# Altium PCB XXXX-YYYY-RZZ-PCB - Bkp.PcbDoc
Units mil, origin at the board's own origin, x right, y up, seen from the top; angles counter-clockwise.
Board outline 4920 x 6280 mil, 2 copper layers (Top Layer, Bottom Layer), stack 62.192 mil thick; 96 components, 77 nets, 624 pads, 123 vias.
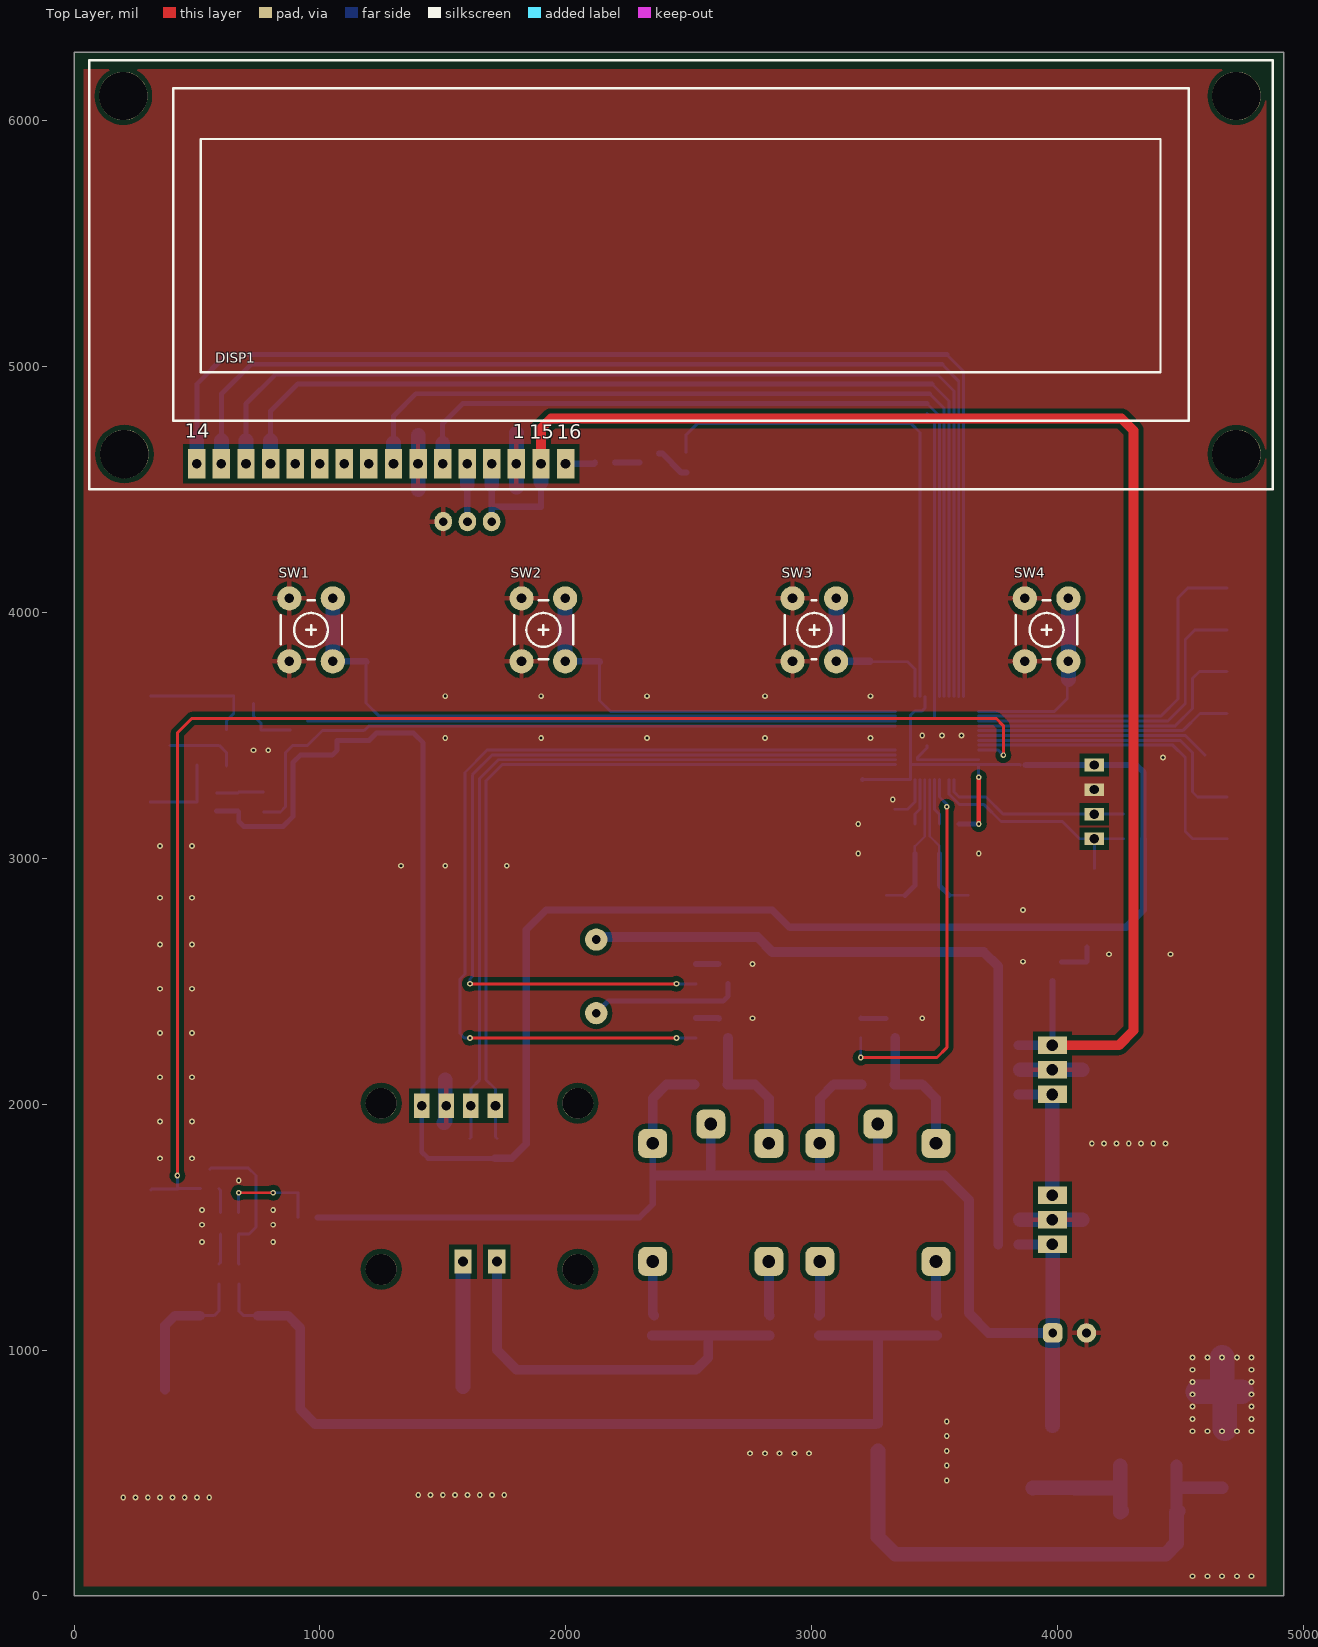
[diagram p0: Top Layer view]
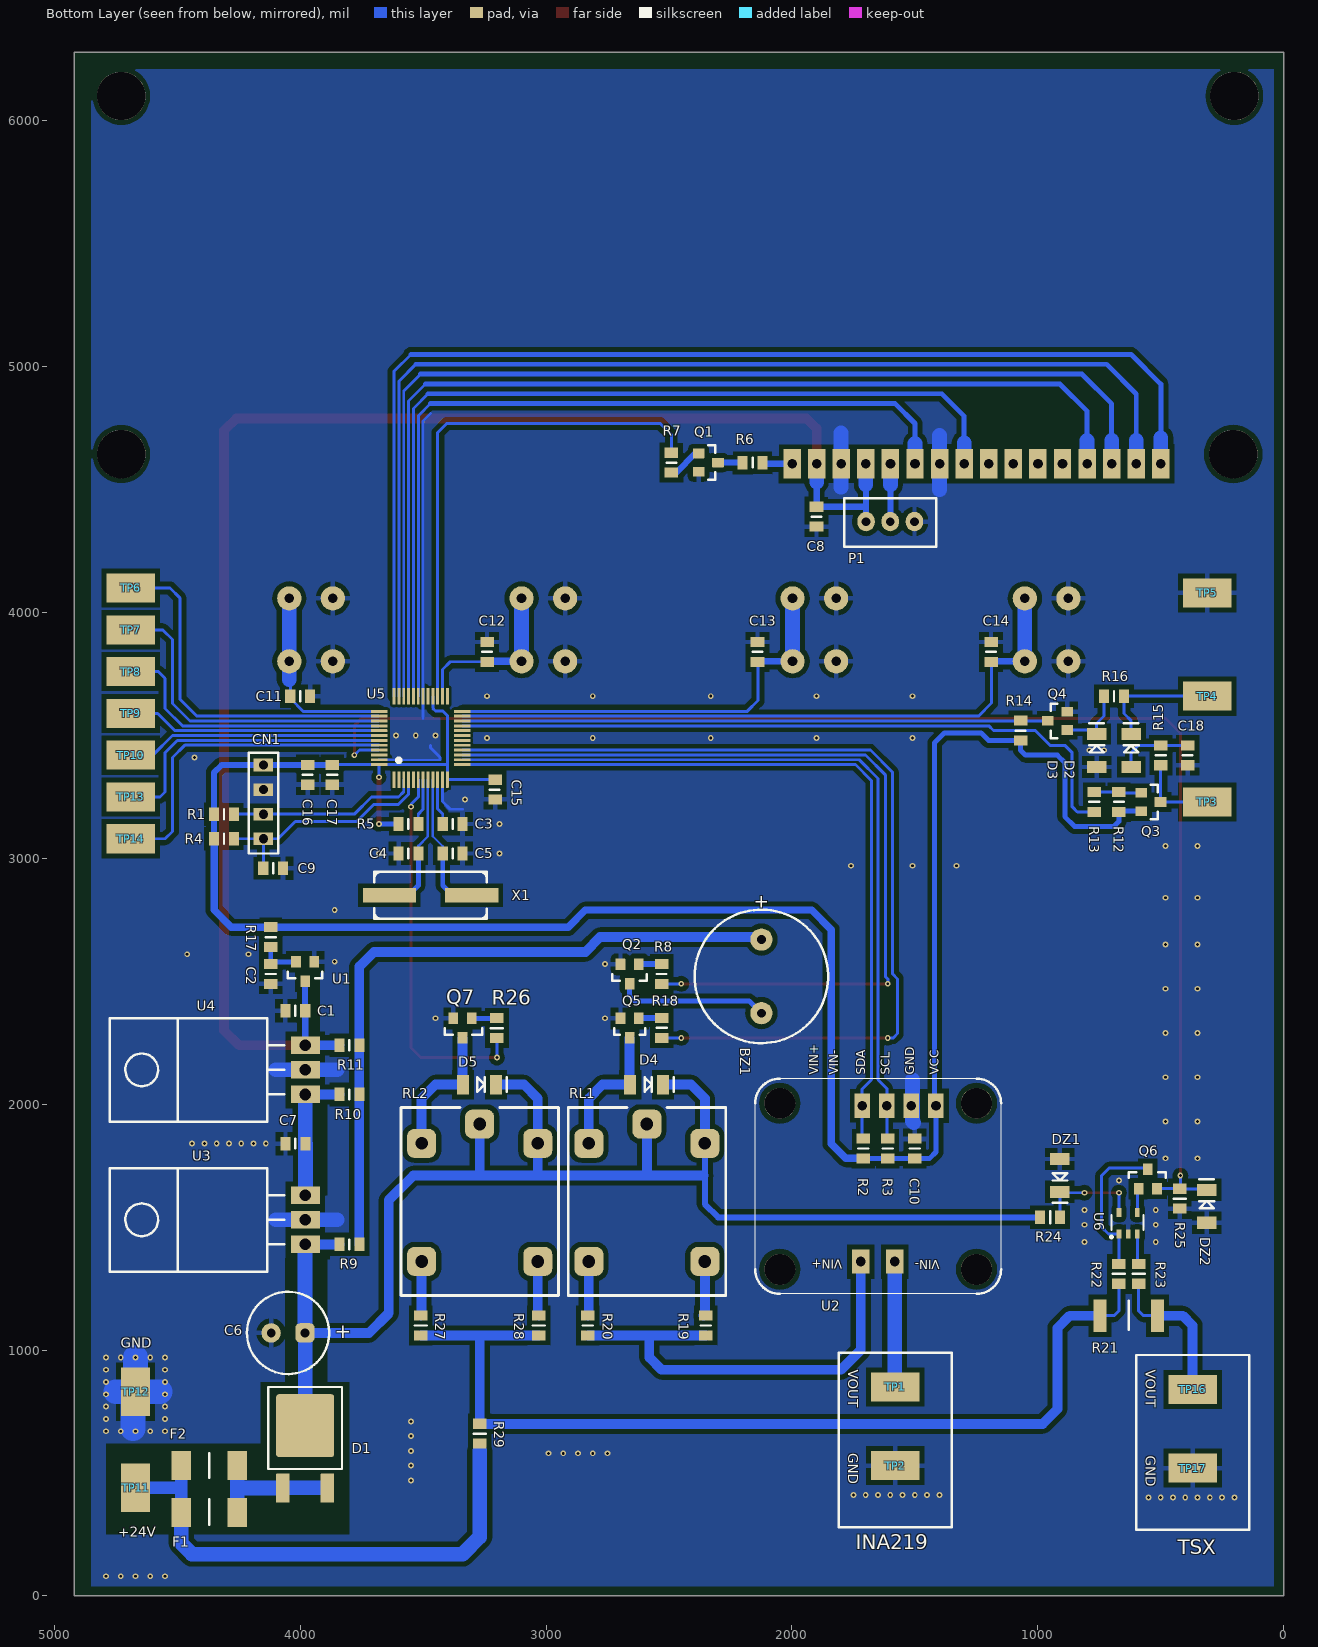
[diagram p1: Bottom Layer view, seen from below]
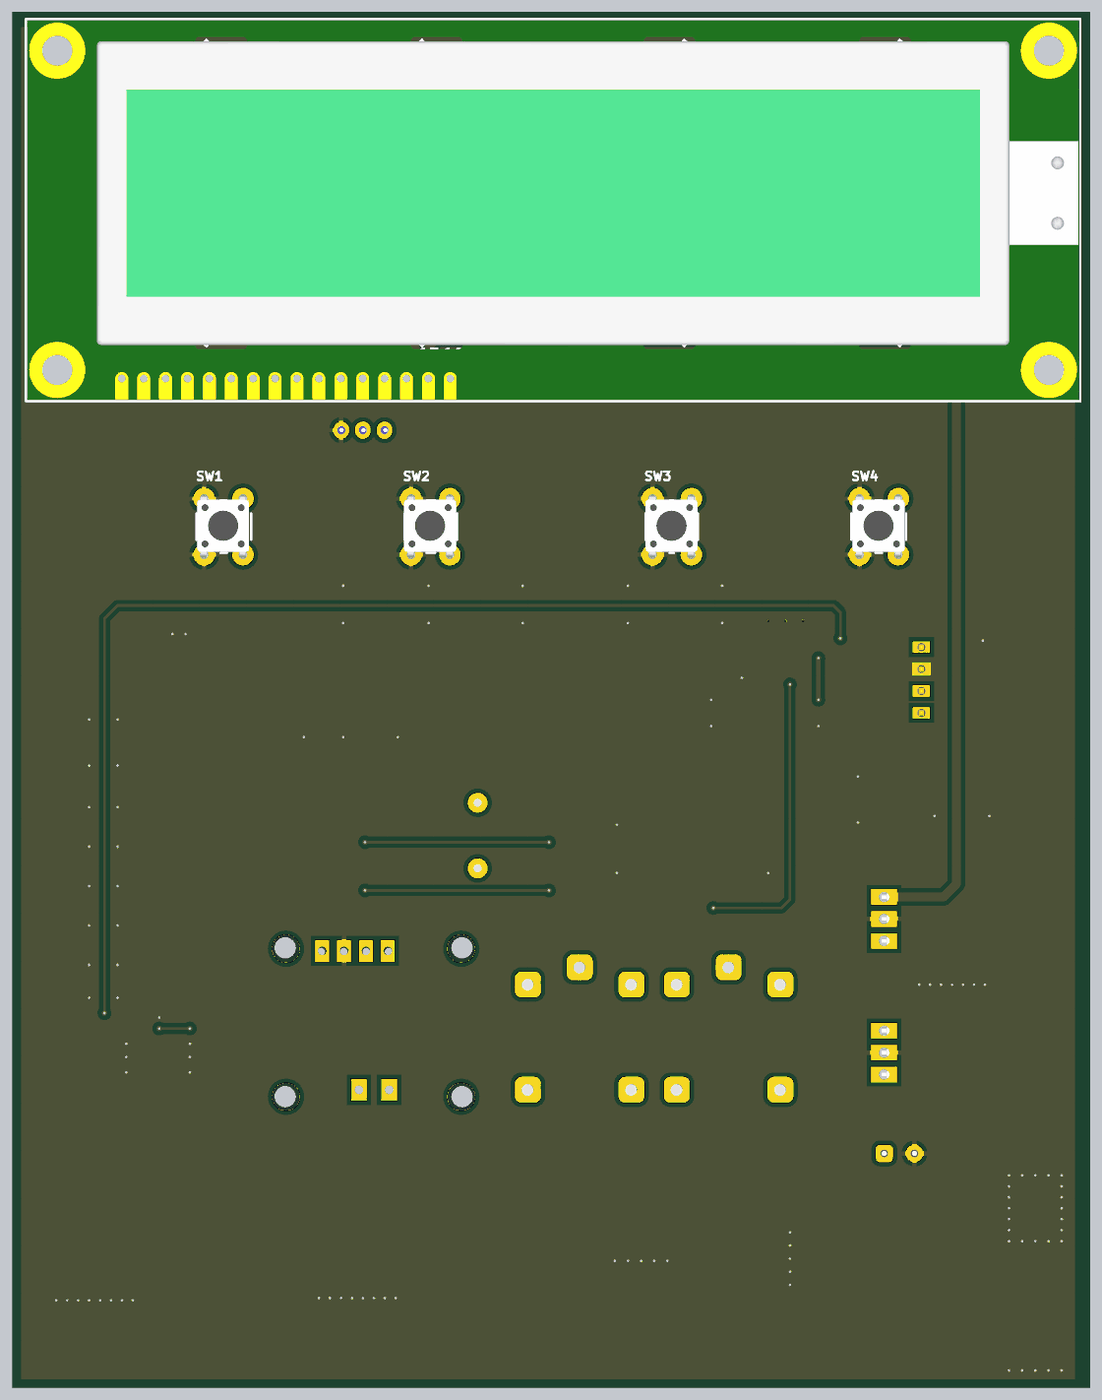
[diagram p2: 3D render of the assembled board from above, using the file's embedded part models]
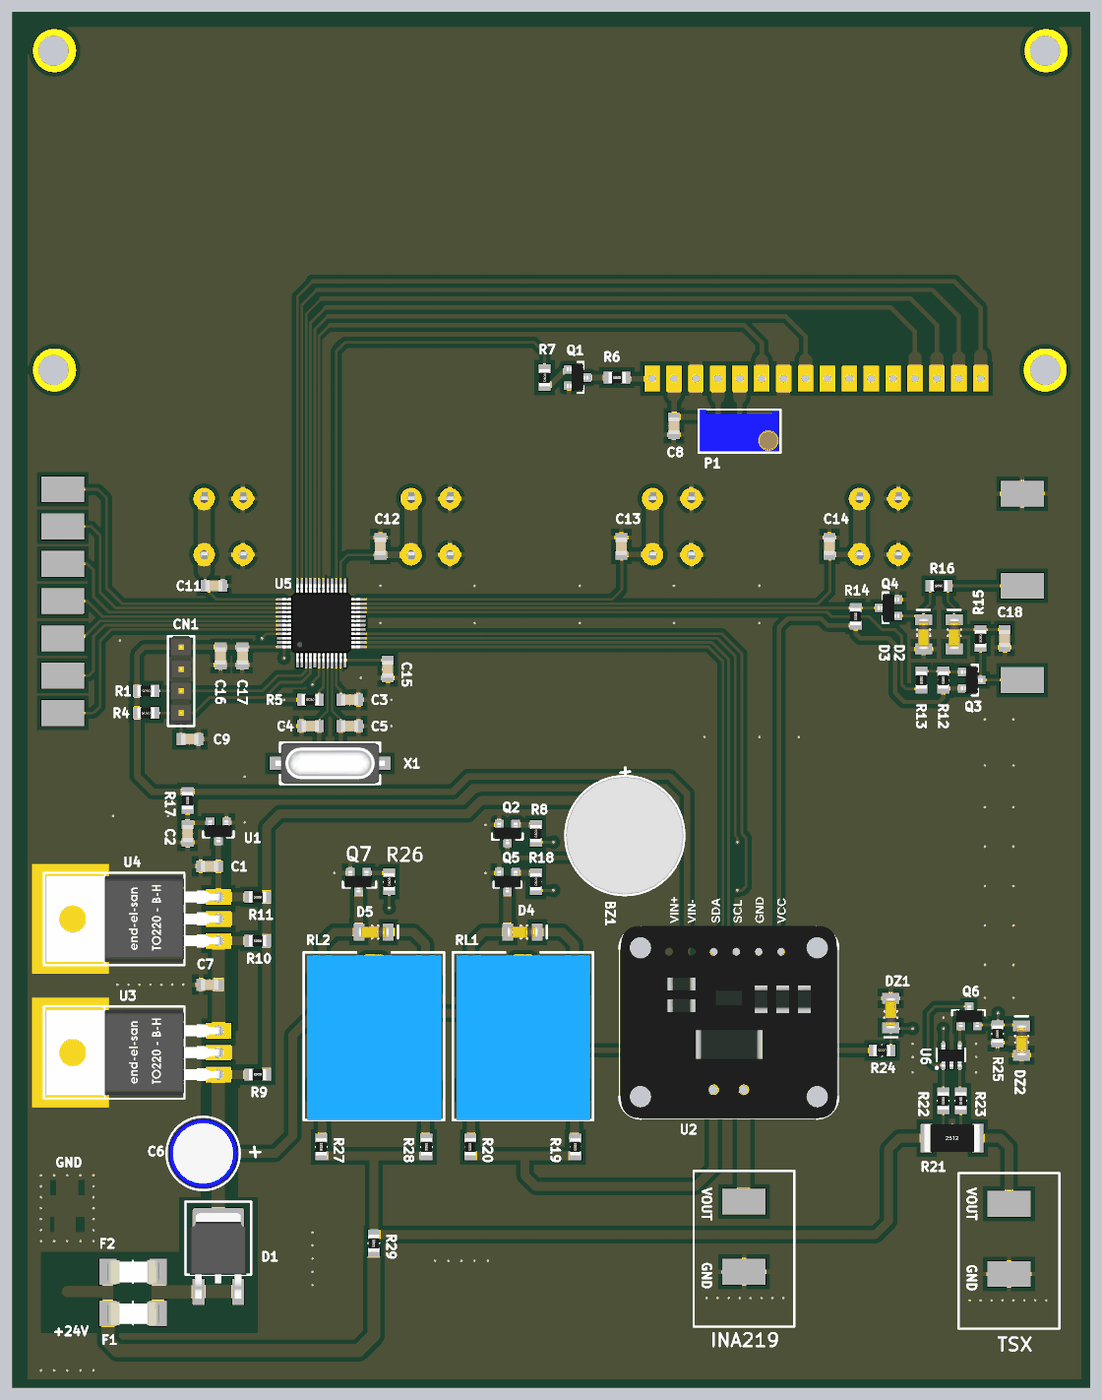
[diagram p3: 3D render of the assembled board from below, using the file's embedded part models]

## Layer stack, top to bottom
Top Solder: solder mask 0.4, Solder Resist, Dk 3.5
Top Layer: signal copper 1.4
Dielectric 1: core 59.3921, FR-4, Dk 4.2
Bottom Layer: signal copper 1.4
Bottom Solder: solder mask 0.4, Solder Resist, Dk 3.5

## Board outline
0,0 4920,0 4920,6280 0,6280

## Design rules (kind name [scope] priority, off if disabled: settings)
BoardOutlineClearance [All] p1: gap=15.75
Clearance Clearance_1 [InComponent('U5')] p1: gap=10 except(0: SMDPad-SMDPad; 1: Track-Track Track-SMDPad)
Clearance [All] p2: gap=19.68 except(3.94: Track-Track; 10: Track-SMDPad SMDPad-SMDPad)
ComponentClearance [InComponent('U2')] p1: gap=10 collisioncheckmode=3 verticalgap=100000 showdistances=TRUE
HoleSize [All] p1: absolutevalues=TRUE maxlimit=196.85 minlimit=1 maxpercent=80.000 minpercent=20.000
PolygonConnect PolygonConnect_CN1 [InComponent('CN1')] p1: connectstyle=Direct reliefconductorwidth=10 reliefentries=4 polygonreliefangle="90 Angle" airgapwidth=10
PolygonConnect PolygonConnect_via [IsVia] p2: connectstyle=Direct reliefconductorwidth=10 reliefentries=4 polygonreliefangle="90 Angle" airgapwidth=10
PolygonConnect [All] p3: connectstyle=Relief reliefconductorwidth=19.68 reliefentries=4 polygonreliefangle="90 Angle" airgapwidth=19.68
RoutingVias [All] p1: holewidth=28 width=50 viastyle="Through Hole" minholewidth=28 minwidth=50 maxholewidth=28 maxwidth=50
SolderMaskExpansion [All] p1: expansion=4
Width [All] p1: maxlimit=100 minlimit=10 preferedwidth=25
28 further rules are at their usual default settings.

## Components (designator, comment, footprint, x,y, rotation, side; value= is the part's Value field where it differs from the comment)
BZ1 "Buzzer" "BUZZER PTH 13.8  X 7.5 - duplicate" 2120,2520 r270 bottom
C1 "XXXX" "CAP CER SMD C0805" 4020,2380 r180 bottom
C2 "XXXX" "CAP CER SMD C0805" 4120,2530 r90 bottom
C3 "XXXX" "CAP CER SMD C0805" 3380,3140 r0 bottom
C4 "XXXX" "CAP CER SMD C0805" 3560,3020 r180 bottom
C5 "XXXX" "CAP CER SMD C0805" 3380,3020 r0 bottom
C6 "XXXX" "CAP ELCO PTH 8.0 X 11.5 X 3.5" 4049.47,1069.84 r0 bottom
C7 "XXXX" "CAP CER SMD C0805" 4019.47,1839.84 r180 bottom
C8 "XXXX" "CAP CER SMD C0805" 1900,4390 r90 bottom
C9 "XXXX" "CAP CER SMD C0805" 4110,2960 r0 bottom
C10 "XXXX" "CAP CER SMD C0805" 1500,1820 r270 bottom
C11 "XXXX" "CAP CER SMD C0805" 4000,3660 r0 bottom
C12 "XXXX" "CAP CER SMD C0805" 3240,3840 r270 bottom
C13 "XXXX" "CAP CER SMD C0805" 2140,3840 r270 bottom
C14 "XXXX" "CAP CER SMD C0805" 1190,3840 r270 bottom
C15 "XXXX" "CAP CER SMD C0805" 3206.56,3279.92 r270 bottom
C16 "XXXX" "CAP CER SMD C0805" 3970,3340 r270 bottom
C17 "XXXX" "CAP CER SMD C0805" 3870,3340 r90 bottom
C18 "XXXX" "CAP CER SMD C0805" 389.84,3419.53 r270 bottom
CN1 "XXXXX" "CON GRAVAÇÃO LINHA RX [lite]" 4150,3380 r270 bottom
D1 "MURD620CTT4G" "D-PAK STANDARD DIODO" 3980,600 r90 bottom
D2 "1N4148" "IC SOD-80 (MINIMELF) [A]" 620,3440 r270 bottom
D3 "1N4148" "IC SOD-80 (MINIMELF) [A]" 760,3440 r270 bottom
D4 "1N4148" "IC SOD-80 (MINIMELF) [A]" 2590,2080 r0 bottom
D5 "1N4148" "IC SOD-80 (MINIMELF) [A]" 3270,2080 r0 bottom
DISP1 "XXXX" "DISPLAY 16X2 WH1602L-YYH-JT" 2460.63,5380 r0 top
DZ1 "Diodo Zener" "IC SOD-80 (MINIMELF) [A]" 910.03,1709.7 r90 bottom
DZ2 "Diodo Zener" "IC SOD-80 (MINIMELF) [A]" 312.33,1585.77 r270 bottom
F1 "XXXX" "FUSIVEL SMD 2410" 4370,340 r180 bottom
F2 "XXXX" "FUSIVEL SMD 2410" 4370,530 r180 bottom
P1 "Trimpot" "POT PTH 3296W VERTICAL STANDARD" 1600,4370 r90 bottom
Q1 "Trans NPN" "IC SOT-23-3"#1 2340,4610 r0 bottom
Q2 "Trans NPN" "IC SOT-23-3"#1 2660,2530 r90 bottom
Q3 "Trans PNP" "IC SOT-23-3"#2 539.84,3229.53 r0 bottom
Q4 "Trans NPN" "IC SOT-23-3"#2 919.84,3559.53 r180 bottom
Q5 "Trans NPN" "IC SOT-23-3"#2 2660,2310 r90 bottom
Q6 "Trans NPN" "IC SOT-23-3"#2 552.33,1695.77 r270 bottom
Q7 "Trans NPN" "IC SOT-23-3"#2 3340,2310 r90 bottom
R1 "XXXX" "RES SMD R0805" 4310,3180 r0 bottom
R2 "XXXX" "RES SMD R0805" 1710,1820 r270 bottom
R3 "XXXX" "RES SMD R0805" 1610,1820 r270 bottom
R4 "XXXX" "RES SMD R0805" 4310,3080 r0 bottom
R5 "XXXX" "RES SMD R0805" 3560,3140 r0 bottom
R6 "XXXX" "RES SMD R0805" 2160,4610 r180 bottom
R7 "XXXX" "RES SMD R0805" 2490,4610 r90 bottom
R8 "XXXX" "RES SMD R0805" 2530,2530 r90 bottom
R9 "XXXX" "RES SMD R0805" 3800,1430 r0 bottom
R10 "XXXX" "RES SMD R0805" 3800,2040 r0 bottom
R11 "XXXX" "RES SMD R0805" 3800,2240 r0 bottom
R12 "XXXX" "RES SMD R0805" 669.84,3229.53 r270 bottom
R13 "XXXX" "RES SMD R0805" 769.84,3229.53 r270 bottom
R14 "XXXX" "RES SMD R0805" 1070,3520 r270 bottom
R15 "XXXX" "RES SMD R0805" 499.84,3419.53 r270 bottom
R16 "XXXX" "RES SMD R0805" 690,3660 r0 bottom
R17 "XXXX" "RES SMD R0805" 4120,2680 r270 bottom
R18 "XXXX" "RES SMD R0805" 2530,2310 r90 bottom
R19 "XXXX" "RES SMD R0805" 2350,1100 r270 bottom
R20 "XXXX" "RES SMD R0805" 2830,1100 r270 bottom
R21 "Res_Geral" "RES SMD R2512" 630,1140 r180 bottom
R22 "Res_Geral" "RES SMD R0805 [A]" 670,1310 r270 bottom
R23 "Res_Geral" "RES SMD R0805 [A]" 590,1310 r270 bottom
R24 "Res_Geral" "RES SMD R0805 [A]" 950,1540 r0 bottom
R25 "Res_Geral" "RES SMD R0805 [A]" 422.33,1615.77 r90 bottom
R26 "XXXX" "RES SMD R0805 [A]" 3200,2310 r90 bottom
R27 "XXXX" "RES SMD R0805 [A]" 3510,1100 r270 bottom
R28 "XXXX" "RES SMD R0805 [A]" 3030,1100 r270 bottom
R29 "XXXX" "RES SMD R0805 [A]" 3270,660 r270 bottom (schematic designator R27)
RL1 "Cod" "RELE 5 PINOS" 2590,1640 r270 bottom
RL2 "Cod" "RELE 5 PINOS" 3270,1640 r270 bottom
SW1 "CHAVE TÁCTIL 6x6x4,3" "CHAVE TÁCTIL PTH 6X6X4.3 180°" 963.94,3929.82 r270 top
SW2 "CHAVE TÁCTIL 6x6x4,3" "CHAVE TÁCTIL PTH 6X6X4.3 180°" 1908.82,3929.82 r270 top
SW3 "CHAVE TÁCTIL 6x6x4,3" "CHAVE TÁCTIL PTH 6X6X4.3 180°" 3011.18,3929.82 r270 top
SW4 "CHAVE TÁCTIL 6x6x4,3" "CHAVE TÁCTIL PTH 6X6X4.3 180°" 3956.06,3929.82 r270 top
TP1 "TestPoint" Testpoint#1 1320,910 r0 top
TP2 "TestPoint" Testpoint#2 1080,850 r90 top
TP3 "TestPoint" Testpoint#3 309.84,3229.53 r180 bottom
TP4 "TestPoint" Testpoint#3 310,3660 r180 bottom
TP5 "TestPoint" Testpoint#3 310,4080 r180 bottom
TP6 "TestPoint" Testpoint#3 4690,4100 r180 bottom
TP7 "TestPoint" Testpoint#3 4690,3930 r180 bottom
TP8 "TestPoint" Testpoint#3 4690,3760 r180 bottom
TP9 "TestPoint" Testpoint#3 4690,3590 r180 bottom
TP10 "TestPoint" Testpoint#3 4690,3420 r180 bottom
TP11 "TestPoint" Testpoint#4 280,-950 r270 bottom
TP12 "TestPoint" Testpoint#5 1519.84,-2371.89 r270 bottom
TP13 "TestPoint" Testpoint#3 4690,3250 r180 bottom
TP14 "TestPoint" Testpoint#3 4690,3080 r180 bottom
TP16 "TestPoint" Testpoint#6 390,480 r180 bottom
TP17 "TestPoint" Testpoint#7 390,620 r180 bottom
U1 "2072" "IC SOT-23-3"#2 3980,2540 r90 bottom
U2 "XXXX" "Shield INA219" 1249.13,2004.09 r0 bottom
U3 "488" "IC TO-220-3B-H" 3979.47,1529.84 r90 bottom
U4 "584" "IC TO-220-3B-H" 3979.47,2139.84 r90 bottom
U5 "5137" "IC LQFP-48" 3510,3490 r180 bottom
U6 "XXXX" "IC SOT-23-5" 632.33,1515.77 r180 bottom
X1 "Cristal 2P" "CRISTAL SMD HC-49/US" 3470,2850 r180 bottom

## Footprints (in the part's own frame and the unit in brackets; to place one, negate y for a bottom-side part, rotate by r counter-clockwise, add the part's x,y. Pads: shape width x height; smd on the part's side, far side on the other; paste and mask are expansions set on the pad)
"BUZZER PTH 13.8  X 7.5 - duplicate" [mm] "BUZZER PK-12N40PE-TQ"
  round 2.3 hole 0.9: 1(3.794,-0.102) 2(-3.806,-0.102)
  silkscreen extent -6.91,-7 6.89,6.79, body extent -6.86,-6.95 6.84,6.75, height 7.6
"CAP CER SMD C0805" [mm] "Chip Capacitor, 2-Leads, Body 2,1x1,3mm, IPC Medium Density, Reflow, Wave Soldering"
  rrect50% 1.05x1.4 on Mech5: 1(-1.025,0) 2(1.025,0)
  rect 1.05x1.4 smd: 1(-1.025,0) 2(1.025,0)
  rrect50% 0.945x1.26 on Mech15: 1(-1.025,0) 2(1.025,0)
  body extent -1,-0.63 1,0.63, height 0.59
"CAP ELCO PTH 8.0 X 11.5 X 3.5" [mm] "CAP 8 DIA X 11.5 ALT X 3.5 PITCH NOMINAL/ 8.5 DIA X 13 ALT MÁXIMO"
  round 2 hole 0.9: 1(1.75,0)
  rrect50% 2x2 hole 0.9: 2(-1.75,0)
  silkscreen extent -4.25,-4.25 4.25,4.25, body extent -4.03,-4.03 4.03,4.03, height 12.03
"CHAVE TÁCTIL PTH 6X6X4.3 180°" [mm]
  round 2.5 hole 1: 1(-3.25,2.25) 1(3.25,2.25) 2(-3.25,-2.25) 2(3.25,-2.25)
  silkscreen extent -3.05,-3.15 3.04,3.2, body extent -3.97,-3.06 3.77,2.97, height 5.01
"CON GRAVAÇÃO LINHA RX [lite]" [mm] "CONECTOR GRAVAÇÃO LINHA RX"
  rect 1.3x2 hole 0.95: 1(0,0) 2(2.54,0) 3(5.08,0) 4(7.62,0)
  silkscreen extent -1.27,-1.52 9.14,1.52, body extent -1.27,-1.27 8.89,1.27, height 9.5
"CRISTAL SMD HC-49/US" [mm]
  rect 5.5x1.5 smd: 1(-4.25,0) 2(4.25,0)
  rrect10% 5.5x1.5 on Mech15 mask+0.102: 1(-4.25,0) 2(4.25,0)
  silkscreen extent -5.8,-2.41 5.8,2.42, body extent -6.35,-2.35 6.35,2.35, height 4.3
"D-PAK STANDARD DIODO" [mm] "TO-252"
  rrect10% 2.7x1.26 on Mech15 mask+0.102: 1(-4.1,-2.3) 1(-4.1,2.3)
  rrect10% 3x1.4 on Mech8 mask+0.102: 1(-4.1,2.3) 3(-4.1,-2.3)
  rrect10% 3x1.4 smd mask+0.102: 1(-4.1,2.3) 3(-4.1,-2.3)
  rrect10% 6.5x6 on Mech8 mask+0.102: 2(2.35,0)
  rrect10% 6.5x6 smd mask+0.102: 2(2.35,0)
  rrect10% 4x4 on Mech15 mask+0.102: 2(2.35,0)
  silkscreen extent -2.12,-3.81 6.35,3.81, body extent -4.91,-3.27 5.03,3.27, height 2.44
"DISPLAY 16X2 WH1602L-YYH-JT" [mm] "DISPLAY 16X2 BIG NUMBER"
  rect 1.8x3 hole 1: 1(-16.8,-19.675) 2(-19.34,-19.675) 3(-21.88,-19.675) 4(-24.42,-19.675) 5(-26.96,-19.675) 6(-29.5,-19.675) 7(-32.04,-19.675) 8(-34.58,-19.675) 9(-37.12,-19.675) 10(-39.66,-19.675) 11(-42.2,-19.675) 12(-44.74,-19.675) 13(-47.28,-19.675) 14(-49.82,-19.675) 15(-14.26,-19.675) 16(-11.72,-19.675)
  round 5 hole 5 unplated: "FURO 3mm"(-57.408,18.327) "FURO 3mm"(-57.3,-18.675) "FURO 3mm"(57.592,-18.673) "FURO 3mm"(57.592,18.327)
  silkscreen extent -60.95,-22.3 61.35,22, body extent -60.8,-22.17 61.2,21.83, height 13.6
"FUSIVEL SMD 2410" [mm]
  rect 2x3 smd: 1(-2.9,0) 2(2.9,0)
  rrect50% 2x3 on Mech15: 1(-2.9,0) 1(2.9,0)
  silkscreen extent 0,-1.27 0,1.36, body extent -3,-1.37 3.1,1.32, height 2.7
"IC LQFP-48" [mm]
  rrect10% 0.3x1.7 on Mech9 mask+0.102: 1(-2.75,-4.3) 2(-2.25,-4.3) 3(-1.75,-4.3) 4(-1.25,-4.3) 5(-0.75,-4.3) 6(-0.25,-4.3) 7(0.25,-4.3) 8(0.75,-4.3) 9(1.25,-4.3) 10(1.75,-4.3) 11(2.25,-4.3) 12(2.75,-4.3) 25(2.75,4.3) 26(2.25,4.3) 27(1.75,4.3) 28(1.25,4.3) 29(0.75,4.3) 30(0.25,4.3) 31(-0.25,4.3) 32(-0.75,4.3) 33(-1.25,4.3) 34(-1.75,4.3) 35(-2.25,4.3) 36(-2.75,4.3)
  rrect10% 0.3x1.7 smd: 1(-2.75,-4.3) 2(-2.25,-4.3) 3(-1.75,-4.3) 4(-1.25,-4.3) 5(-0.75,-4.3) 6(-0.25,-4.3) 7(0.25,-4.3) 8(0.75,-4.3) 9(1.25,-4.3) 10(1.75,-4.3) 11(2.25,-4.3) 12(2.75,-4.3) 25(2.75,4.3) 26(2.25,4.3) 27(1.75,4.3) 28(1.25,4.3) 29(0.75,4.3) 30(0.25,4.3) 31(-0.25,4.3) 32(-0.75,4.3) 33(-1.25,4.3) 34(-1.75,4.3) 35(-2.25,4.3) 36(-2.75,4.3)
  rrect10% 0.24x1.7 on Mech15 mask+0.102: 1(-2.75,-4.3) 2(-2.25,-4.3) 3(-1.75,-4.3) 4(-1.25,-4.3) 5(-0.75,-4.3) 6(-0.25,-4.3) 7(0.25,-4.3) 8(0.75,-4.3) 9(1.25,-4.3) 10(1.75,-4.3) 11(2.25,-4.3) 12(2.75,-4.3) 25(2.75,4.3) 26(2.25,4.3) 27(1.75,4.3) 28(1.25,4.3) 29(0.75,4.3) 30(0.25,4.3) 31(-0.25,4.3) 32(-0.75,4.3) 33(-1.25,4.3) 34(-1.75,4.3) 35(-2.25,4.3) 36(-2.75,4.3)
  rrect10% 1.7x0.3 on Mech9 mask+0.102: 13(4.3,-2.75) 14(4.3,-2.25) 15(4.3,-1.75) 16(4.3,-1.25) 17(4.3,-0.75) 18(4.3,-0.25) 19(4.3,0.25) 20(4.3,0.75) 21(4.3,1.25) 22(4.3,1.75) 23(4.3,2.25) 24(4.3,2.75) 37(-4.3,2.75) 38(-4.3,2.25) 39(-4.3,1.75) 40(-4.3,1.25) 41(-4.3,0.75) 42(-4.3,0.25) 43(-4.3,-0.25) 44(-4.3,-0.75) 45(-4.3,-1.25) 46(-4.3,-1.75) 47(-4.3,-2.25) 48(-4.3,-2.75)
  rrect10% 1.7x0.3 smd: 13(4.3,-2.75) 14(4.3,-2.25) 15(4.3,-1.75) 16(4.3,-1.25) 17(4.3,-0.75) 18(4.3,-0.25) 19(4.3,0.25) 20(4.3,0.75) 21(4.3,1.25) 22(4.3,1.75) 23(4.3,2.25) 24(4.3,2.75) 37(-4.3,2.75) 38(-4.3,2.25) 39(-4.3,1.75) 40(-4.3,1.25) 41(-4.3,0.75) 42(-4.3,0.25) 43(-4.3,-0.25) 44(-4.3,-0.75) 45(-4.3,-1.25) 46(-4.3,-1.75) 47(-4.3,-2.25) 48(-4.3,-2.75)
  rrect10% 1.7x0.24 on Mech15 mask+0.102: 13(4.3,-2.75) 14(4.3,-2.25) 15(4.3,-1.75) 16(4.3,-1.25) 17(4.3,-0.75) 18(4.3,-0.25) 19(4.3,0.25) 20(4.3,0.75) 21(4.3,1.25) 22(4.3,1.75) 23(4.3,2.25) 24(4.3,2.75) 37(-4.3,2.75) 38(-4.3,2.25) 39(-4.3,1.75) 40(-4.3,1.25) 41(-4.3,0.75) 42(-4.3,0.25) 43(-4.3,-0.25) 44(-4.3,-0.75) 45(-4.3,-1.25) 46(-4.3,-1.75) 47(-4.3,-2.25) 48(-4.3,-2.75)
  silkscreen extent -2.4,-2.45 -2.12,-2.17, body extent -4.5,-4.5 4.5,4.5, height 1.5
"IC SOD-80 (MINIMELF) [A]" [mm] "STANDARD DATASHEET/ MINIMELF (MMA) 0204"
  rect 1.25x2 smd: 1(1.725,-0.001) 2(-1.676,0.001)
  silkscreen extent -2.79,-0.78 0.23,0.76, body extent -1.75,-0.7 1.75,0.7, height 1.4
"IC SOT-23-3"#1 [mm] "DATASHEET STANDARD SOT-23 (TO-236AB/JEDEC)"
  rrect10% 0.9x0.8 on Mech9 mask+0.102: 1(1,-0.95) 2(1,0.95) 3(-1,0)
  rrect10% 1.2x1 smd: 1(1,-0.95) 2(1,0.95) 3(-1,0)
  rrect10% 0.81x0.72 on Mech15 mask+0.102: 1(1,-0.95) 2(1,0.95) 3(-1,0)
  silkscreen extent -0.7,-1.82 0,1.78, body extent -1.25,-1.5 1.25,1.5, height 1.1
"IC SOT-23-3"#2 [mm] "DATASHEET STANDARD SOT-23 (TO-236AB/JEDEC)"
  rrect10% 0.9x0.8 on Mech9 mask+0.102: 1(1,-0.95) 2(1,0.95) 3(-1,0)
  rect 1.2x1 smd: 1(1,-0.95) 2(1,0.95) 3(-1,0)
  rrect10% 0.81x0.72 on Mech15 mask+0.102: 1(1,-0.95) 2(1,0.95) 3(-1,0)
  silkscreen extent -0.7,-1.78 0,1.78, body extent -1.25,-1.5 1.25,1.5, height 1.1
"IC SOT-23-5" [mm]
  rrect10% 0.49x0.95 smd: 1(-0.95,-1.105) 2(0,-1.105) 3(0.95,-1.105) 4(0.95,1.105) 5(-0.95,1.105)
  rrect10% 0.45x0.9 on Mech15: 1(-0.95,-1.105) 1(-0.95,1.105) 1(0,-1.105) 1(0.95,-1.105) 1(0.95,1.105)
  silkscreen extent -1.72,-1.42 1.58,0.82, body extent -1.5,-1.25 1.5,1.25, height 1.09
"IC TO-220-3B-H" [mm] "FURO 1.2MM"
  rect 1.8x3 hole 1.2: 1(-2.54,0) 2(0,0) 3(2.54,0)
  silkscreen extent -5.35,2.15 5.35,20.22, body extent -4.95,-0.27 4.95,19.95, height 4.75
"POT PTH 3296W VERTICAL STANDARD" [mm]
  oval 2x1.8 hole 0.9: 1(0,-2.5) 2(0,0) 3(0,2.5)
  silkscreen extent -2.6,-4.75 2.4,4.75, body extent -2.4,-4.54 2.4,4.66, height 12.01